# Altium PCB HV_Module_6W.PCBDOC (part 1 of 4) (continued)
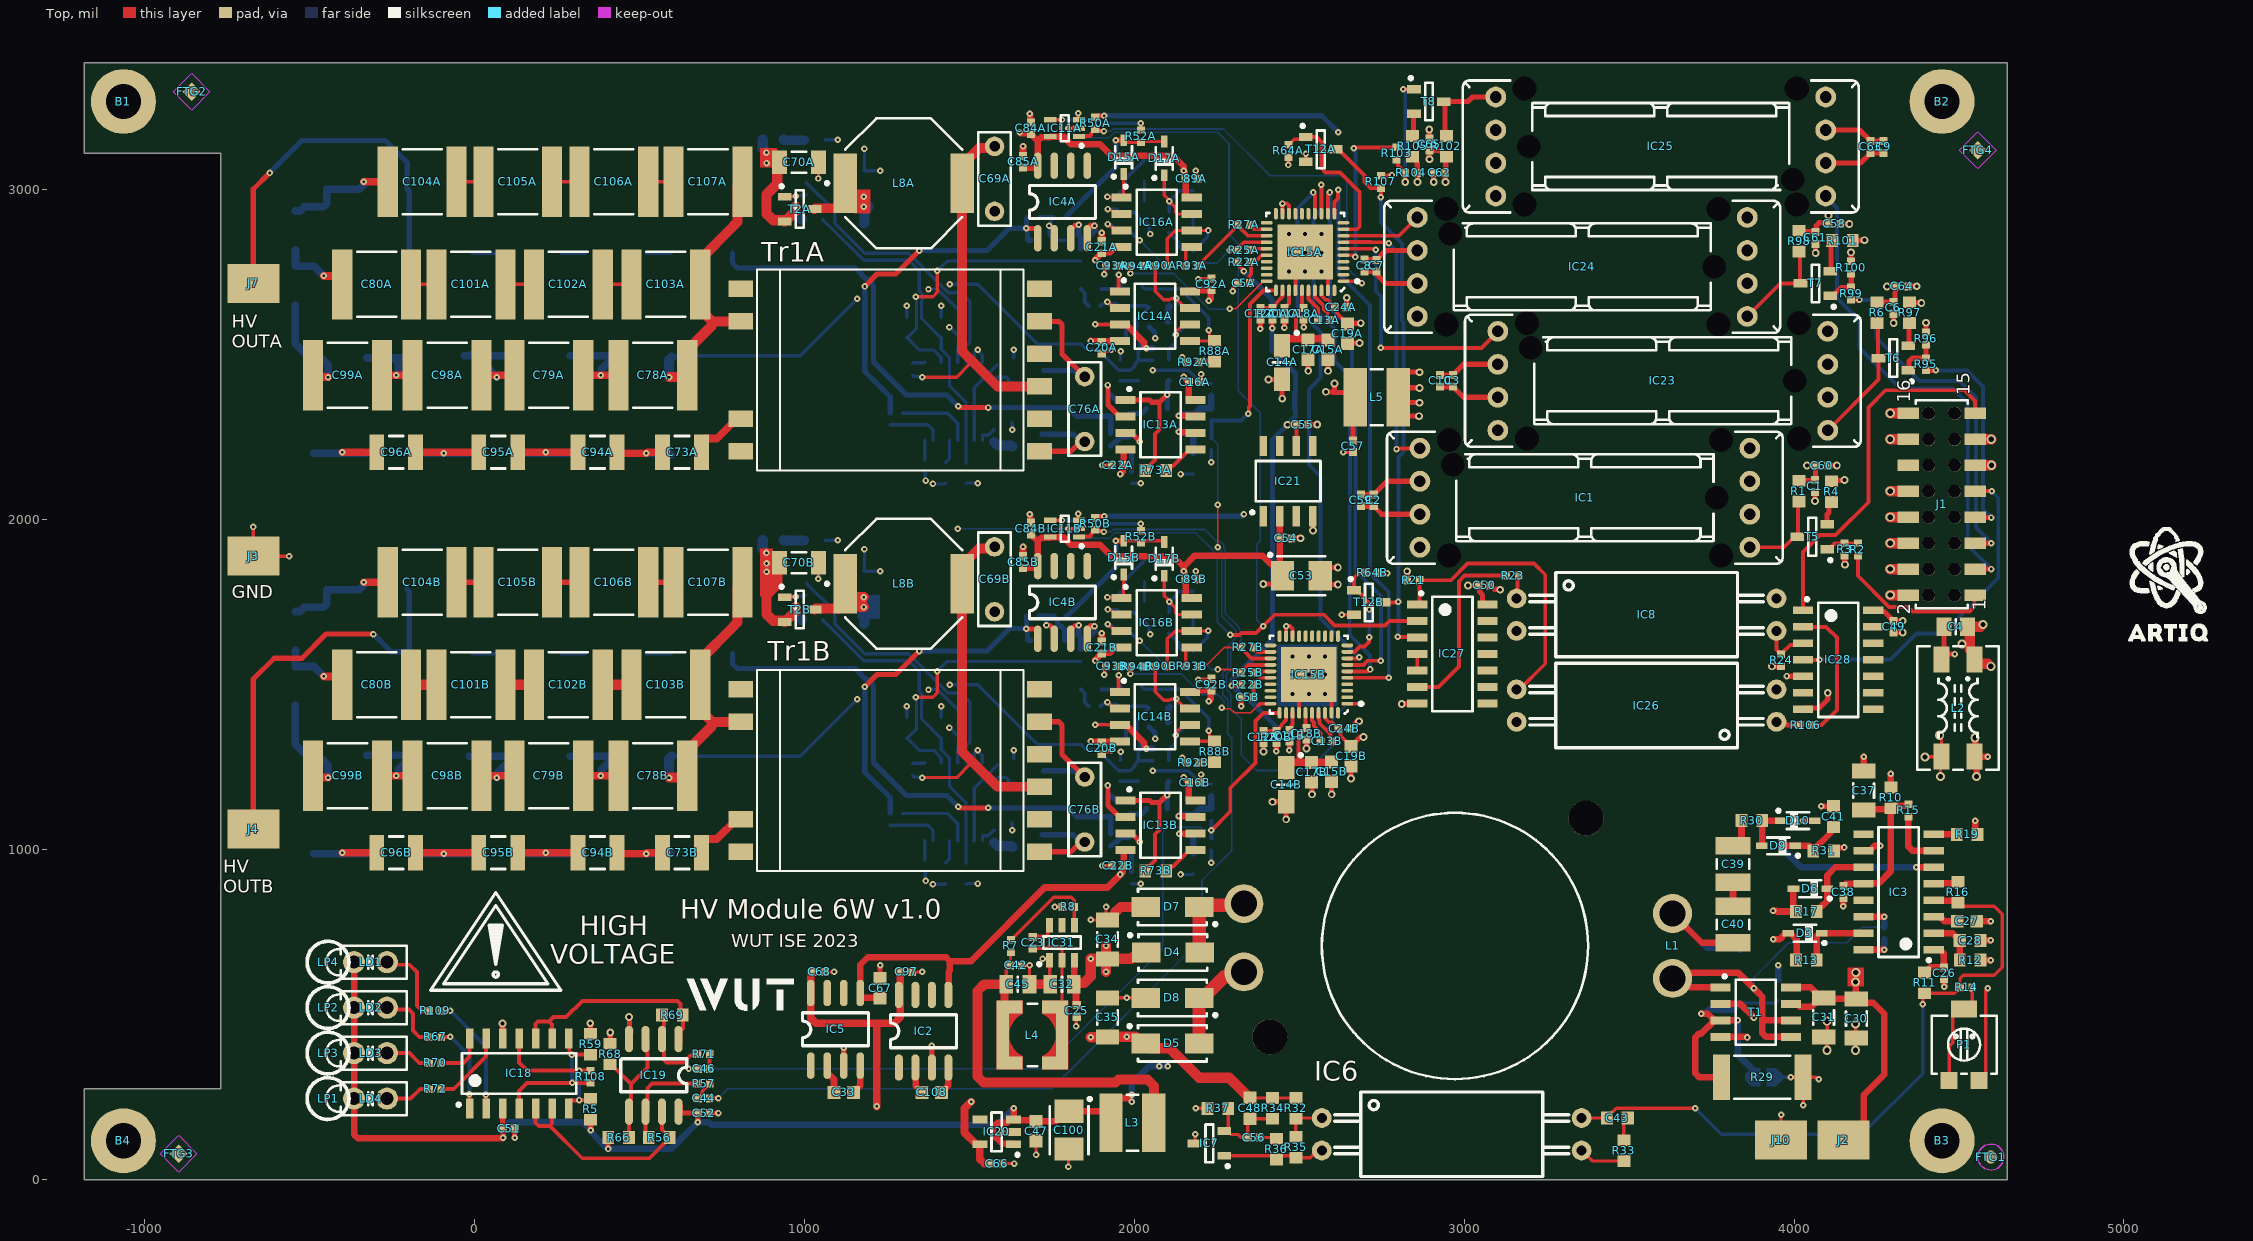
[diagram p0: Top view]
## Components (designator, comment, footprint, x,y, rotation, side; value= is the part's Value field where it differs from the comment)
B1 "Plated Hole" MTG270_500 -1062.99,3267.72 r0 top
B2 "Plated Hole" MTG270_500 4448.82,3267.72 r0 top
B3 "Plated Hole" MTG270_500 4448.82,118.11 r0 top
B4 "Plated Hole" MTG270_500 -1062.99,118.11 r0 top
C1 "1uF" CAPC1005X55N 4062.99,2102.36 r90 top
C2 "1uF" CAPC1005X55N 2726.38,2059.06 r90 top
C3 "1uF" CAPC1005X55N 2966.14,2421.26 r90 top
C4 "4.7uF" CAPC2012X145N 4490.16,1675.79 r0 top
C5A "1uF" CAPC1005X55N 2333.07,2717.63 r0 top (schematic designator C5)
C5B "1uF" CAPC1005X55N 2343.7,1462.2 r0 top (schematic designator C5)
C6 "1uF" CAPC1005X55N 4301.37,2642.29 r90 top
C7 "1uF" CAPC1005X55N 2735.24,2770.31 r90 top
C8 "100nF" CAPC1005X55N 2698.07,2770.67 r270 top
C9 "100nF" CAPC1005X55N 4271.65,3129.92 r90 top
C10 "100nF" CAPC1005X55N 2927.2,2421.26 r270 top
C11A "10nF" CAPC1005X55N 2455.51,2624.64 r90 top (schematic designator C11)
C11B "10nF" CAPC1005X55N 2470.47,1345.67 r90 top (schematic designator C11)
C12A "1uF" CAPC1005X55N 2382.68,2624.64 r90 top (schematic designator C12)
C12B "1uF" CAPC1005X55N 2391.73,1341.73 r90 top (schematic designator C12)
C13A "1uF" CAPC1005X55N 2575.59,2604.96 r0 top (schematic designator C13)
C13B "1uF" CAPC1005X55N 2583.32,1328.34 r0 top (schematic designator C13)
C14A "10uF" CAPMP3216X180N 2448.62,2476.93 r270 top (schematic designator C14)
C14B "10uF" CAPMP3216X180N 2460.84,1197.19 r270 top (schematic designator C14)
C15A "10uF" CAPC1608X80N 2587.4,2515.39 r90 top (schematic designator C15)
C15B "10uF" CAPC1608X80N 2598.43,1235.83 r90 top (schematic designator C15)
C16A "100nF" CAPC1005X55N 2183.66,2417.52 r180 top (schematic designator C16)
C16B "100nF" CAPC1005X55N 2183.66,1203.94 r180 top (schematic designator C16)
C17A "10uF" CAPC1608X80N 2527.36,2515.39 r90 top (schematic designator C17)
C17B "10uF" CAPC1608X80N 2538.08,1235.52 r90 top (schematic designator C17)
C18A "100nF" CAPC1005X55N 2513.58,2624.64 r90 top (schematic designator C18)
C18B "100nF" CAPC1005X55N 2522.39,1351.57 r90 top (schematic designator C18)
C19A "10uF" CAPC1608X80N 2646.46,2564.58 r90 top (schematic designator C19)
C19B "10uF" CAPC1608X80N 2657.48,1284.03 r90 top (schematic designator C19)
C20A "100nF" CAPC1005X55N 1902,2521.26 r90 top (schematic designator C20)
C20B "100nF" CAPC1005X55N 1902,1307.68 r90 top (schematic designator C20)
C21A "100nF" CAPC1005X55N 1902,2826.57 r270 top (schematic designator C21)
C21B "100nF" CAPC1005X55N 1902,1612.99 r270 top (schematic designator C21)
C22A "100nF" CAPC1005X55N 1950.39,2165.35 r0 top (schematic designator C22)
C22B "100nF" CAPC1005X55N 1950.39,951.77 r0 top (schematic designator C22)
C23 "100nF" CAPC1005X55N 1692.91,718.5 r270 top
C24A "100nF" CAPC1005X55N 2626.77,2644.33 r180 top (schematic designator C24)
C24B "100nF" CAPC1005X55N 2636.8,1367.42 r180 top (schematic designator C24)
C25 "100nF" CAPC1005X55N 1826.19,511.81 r90 top
C26 "100nF" CAPC1005X55N 4454.89,625.98 r90 top
C27 "1nF" CAPC1608X90N 4523.79,783.46 r0 top
C28 "1uF" CAPC1608X87N 4533.63,724.41 r0 top
C29 "100nF" CAPC1005X55N 4273.62,747.05 r90 bottom
C30 "10uF" CAPC3216X180N 4189.14,488.19 r270 top
C31 "47uF" CAPC3216X180N 4089.73,491.93 r270 top
C32 "22uF" CAPC2012X135N 1781.5,592.52 r0 top
C33 "10uF" CAPC1608X80N 1120.08,264.94 r180 top
C34 "47uF" CAPC3216X180N 1919.29,728.35 r90 top
C35 "47uF" CAPC3216X180N 1919.29,492.13 r90 top
C36 "100nF" CAPC4532X250N 3834.81,616.14 r90 bottom
C37 "10uF" CAPC3216X180N 4210.8,1179.13 r90 top
C38 "100nF" CAPC1005X55N 4149.77,872.05 r270 top
C39 "220pF" CAPC3225X200N 3815.13,956.69 r270 top
C40 "220pF" CAPC3225X200N 3815.13,773.62 r270 top
C41 "1uF" CAPC1608X87N 4119.26,1100.39 r270 top
C42 "100nF" CAPC1005X55N 1641.73,649.61 r180 top
C43 "270pF" CAPC1608X87N 3464.57,187.01 r180 top
C44 "1uF" CAPC1005X55N 695.4,246.75 r0 top
C45 "22uF" CAPC2012X135N 1647.64,592.52 r180 top
C46 "1uF" CAPC1005X55N 695.4,336.32 r180 top
C47 "10uF" CAPC1608X80N 1702.76,147.64 r90 top
C48 "270pF" CAPC1608X87N 2350.72,216.54 r90 top
C49 "1uF" CAPC1005X55N 4301.97,1675.79 r270 top
C50 "1uF" CAPC1005X55N 3061.02,1801.18 r0 top
C51 "1uF" CAPC1005X55N 104.85,154.72 r180 top
C52 "1uF" CAPC1005X55N 695.4,201.97 r180 top
C53 "22uF" CAPMP3528X210N 2506.69,1830.71 r0 top
C54 "100nF" CAPC1005X55N 2459.34,1943.96 r180 top
C55 "100nF" CAPC1005X55N 2509.92,2288.45 r180 top
C56 "100nF" CAPC1005X55N 2362.2,127.95 r0 top
C57 "1uF" CAPC1005X55N 2663.3,2222.64 r90 top
C58 "100nF" CAPC1005X55N 4122.59,2896.7 r180 top
C59 "100nF" CAPC1005X55N 2687.18,2059.06 r270 top
C60 "100nF" CAPC1005X55N 4084.65,2164.66 r180 top
C61 "1uF" CAPC1005X55N 4064.96,2854.33 r90 top
C62 "1uF" CAPC1005X55N 2925.2,3051.18 r0 top
C63 "1uF" CAPC1005X55N 4232.28,3129.92 r270 top
C64 "100nF" CAPC1005X55N 4327.02,2707.64 r180 top
C65 "100nF" CAPC1005X55N 2894.68,3137.8 r270 top
C66 "1uF" CAPC1005X55N 1583.66,49.21 r180 top
C67 "10uF" CAPC1608X80N 1230.31,580.71 r270 top
C68 "1uF" CAPC1005X55N 1045.28,629.92 r0 top
C69A "47nF" CAPR500-250X720X650 1577.2,3033.46 r90 top (schematic designator C69)
C69B "47nF" CAPR500-250X720X650 1577.2,1819.88 r90 top (schematic designator C69)
C70A "47uF" CAPC3216X180N 984.25,3083.66 r0 top (schematic designator C70)
C70B "47uF" CAPC3216X180N 984.25,1870.08 r0 top (schematic designator C70)
C71A "1uF" CAPC1608X87N 1031.92,3150.39 r180 bottom (schematic designator C71)
C71B "1uF" CAPC1608X87N 1031.92,1936.81 r180 bottom (schematic designator C71)
C72A "1uF" CAPC1608X87N 1490.55,2140.35 r90 bottom (schematic designator C72)
C72B "1uF" CAPC1608X87N 1490.55,926.77 r90 bottom (schematic designator C72)
C73A "6.8nF" CAPC3225X170N 629.92,2204.72 r180 top (schematic designator C73)
C73B "6.8nF" CAPC3225X170N 629.92,991.14 r180 top (schematic designator C73)
C74A "1nF" CAPC1005X55N 1365.55,2164.76 r270 bottom (schematic designator C74)
C74B "1nF" CAPC1005X55N 1365.55,951.18 r270 bottom (schematic designator C74)
C75A "1uF" CAPC1608X87N 1415.55,2582.87 r90 bottom (schematic designator C75)
C75B "1uF" CAPC1608X87N 1415.55,1369.29 r90 bottom (schematic designator C75)
C76A "100nF" CAPR500-250X720X650 1850.39,2335.63 r90 top (schematic designator C76)
C76B "100nF" CAPR500-250X720X650 1850.39,1122.05 r90 top (schematic designator C76)
C77A "10nF" CAPC1608X87N 1311.02,2582.87 r270 bottom (schematic designator C77)
C77B "10nF" CAPC1608X87N 1311.02,1369.29 r270 bottom (schematic designator C77)
C78A "22nF" CAPC5750X330N 541.34,2437.99 r180 top (schematic designator C78)
C78B "22nF" CAPC5750X330N 541.34,1224.41 r180 top (schematic designator C78)
C79A "22nF" CAPC5750X330N 226.38,2437.99 r180 top (schematic designator C79)
C79B "22nF" CAPC5750X330N 226.38,1224.41 r180 top (schematic designator C79)
C80A "22nF" CAPC5750X330N -295.28,2713.58 r180 top (schematic designator C80)
C80B "22nF" CAPC5750X330N -295.28,1500 r180 top (schematic designator C80)
C81A "1uF" CAPC1608X87N 1429.13,2142.91 r90 bottom (schematic designator C81)
C81B "1uF" CAPC1608X87N 1429.13,929.33 r90 bottom (schematic designator C81)
C82A "Undefined" CAPC1608X90N 2045.98,2614.37 r90 bottom (schematic designator C82)
C82B "Undefined" CAPC1608X90N 2045.98,1400.79 r90 bottom (schematic designator C82)
C84A "100nF" CAPC1005X55N 1687.2,3187.01 r270 top (schematic designator C84)
C84B "100nF" CAPC1005X55N 1687.2,1973.43 r270 top (schematic designator C84)
C85A "100nF" CAPC1005X55N 1663.39,3085.43 r270 top (schematic designator C85)
C85B "100nF" CAPC1005X55N 1663.39,1871.85 r270 top (schematic designator C85)
C86A "220nF" CAPC1608X87N 2031.3,3057.82 r270 bottom (schematic designator C86)
C86B "220nF" CAPC1608X87N 2031.3,1844.24 r270 bottom (schematic designator C86)
C87A "10nF" CAPC1608X87N 1958.27,2963.39 r270 bottom (schematic designator C87)
C87B "10nF" CAPC1608X87N 1958.27,1749.8 r270 bottom (schematic designator C87)
C88A "10nF" CAPC1005X55N 2234.25,2230.15 r90 bottom (schematic designator C88)
C88B "10nF" CAPC1005X55N 2234.25,1016.56 r90 bottom (schematic designator C88)
C89A "100nF" CAPC1005X55N 2173.82,3033.46 r180 top (schematic designator C89)
C89B "100nF" CAPC1005X55N 2173.82,1819.88 r180 top (schematic designator C89)
C90A "220nF" CAPC1608X87N 2178.74,2965.61 r270 bottom (schematic designator C90)
C90B "220nF" CAPC1608X87N 2178.74,1752.03 r270 bottom (schematic designator C90)
C91A "10nF" CAPC1608X87N 2105.12,2901.18 r270 bottom (schematic designator C91)
C91B "10nF" CAPC1608X87N 2105.12,1687.6 r270 bottom (schematic designator C91)
C92A "100nF" CAPC1005X55N 2234.25,2714.17 r270 top (schematic designator C92)
C92B "100nF" CAPC1005X55N 2234.25,1500.59 r270 top (schematic designator C92)
C93A "10nF" CAPC1005X55N 1932.68,2769.69 r0 top (schematic designator C93)
C93B "10nF" CAPC1005X55N 1932.68,1556.1 r0 top (schematic designator C93)
C94A "6.8nF" CAPC3225X170N 374.02,2204.72 r180 top (schematic designator C94)
C94B "6.8nF" CAPC3225X170N 374.02,991.14 r180 top (schematic designator C94)
C95A "6.8nF" CAPC3225X170N 73.01,2204.72 r180 top (schematic designator C95)
C95B "6.8nF" CAPC3225X170N 73.01,991.14 r180 top (schematic designator C95)
C96A "6.8nF" CAPC3225X170N -236.22,2204.72 r180 top (schematic designator C96)
C96B "6.8nF" CAPC3225X170N -236.22,991.14 r180 top (schematic designator C96)
C97 "1uF" CAPC1005X55N 1309.06,629.92 r0 top
C98A "22nF" CAPC5750X330N -82.14,2437.99 r180 top (schematic designator C98)
C98B "22nF" CAPC5750X330N -82.14,1224.41 r180 top (schematic designator C98)
C99A "22nF" CAPC5750X330N -383.86,2437.99 r180 top (schematic designator C99)
C99B "22nF" CAPC5750X330N -383.86,1224.41 r180 top (schematic designator C99)
C100 "22uF" CAPMP3528X210N 1802.88,150.25 r270 top
C101A "22nF" CAPC5750X330N -9.84,2713.58 r180 top (schematic designator C101)
C101B "22nF" CAPC5750X330N -9.84,1500 r180 top (schematic designator C101)
C102A "22nF" CAPC5750X330N 285.43,2713.58 r180 top (schematic designator C102)
C102B "22nF" CAPC5750X330N 285.43,1500 r180 top (schematic designator C102)
C103A "22nF" CAPC5750X330N 580.71,2713.58 r180 top (schematic designator C103)
C103B "22nF" CAPC5750X330N 580.71,1500 r180 top (schematic designator C103)
C104A "22nF" CAPC5750X330N -157.48,3024.61 r180 top (schematic designator C104)
C104B "22nF" CAPC5750X330N -157.48,1811.02 r180 top (schematic designator C104)
C105A "22nF" CAPC5750X330N 132.07,3024.61 r180 top (schematic designator C105)
C105B "22nF" CAPC5750X330N 132.07,1811.02 r180 top (schematic designator C105)
C106A "22nF" CAPC5750X330N 423.23,3024.61 r180 top (schematic designator C106)
C106B "22nF" CAPC5750X330N 423.23,1811.02 r180 top (schematic designator C106)
C107A "22nF" CAPC5750X330N 708.66,3024.61 r180 top (schematic designator C107)
C107B "22nF" CAPC5750X330N 708.66,1811.02 r180 top (schematic designator C107)
C108 "10uF" CAPC1608X80N 1387.01,264.94 r180 top
D1A "SP5LG" DO-214AC_GW 597.52,2344.16 r270 bottom (schematic designator D1)
D1B "SP5LG" DO-214AC_GW 597.52,1142.91 r270 bottom (schematic designator D1)
D2A "SP5LG" DO-214AC_GW 446.58,2352.36 r90 bottom (schematic designator D2)
D2B "SP5LG" DO-214AC_GW 446.58,1141.73 r90 bottom (schematic designator D2)
D3 "BAT165" SOD2512X110N 4033.24,747.05 r180 top
D4 "SS16" DIOM5127X229N 2117.82,688.98 r0 top
D5 "SS16" DIOM5127X229N 2116.14,413.39 r0 top
D6 "BAT165" SOD2512X110N 4049.38,881.89 r180 top
D7 "SS16" DIOM5127X229N 2116.14,826.77 r180 top
D8 "SS16" DIOM5127X229N 2116.14,551.18 r180 top
D9 "BAT165" SOD2512X110N 3952.92,1011.81 r180 top
D10 "BAT165" SOD2512X110N 4011.98,1088.58 r0 top
D11A "SS16" DIOM5127X229N 1181.1,2979.13 r90 bottom (schematic designator D11)
D11B "SS16" DIOM5127X229N 1181.1,1765.55 r90 bottom (schematic designator D11)
D12A "SP5LG" DO-214AC_GW 446.58,2349.41 r270 bottom (schematic designator D12)
D12B "SP5LG" DO-214AC_GW 446.58,1135.83 r270 bottom (schematic designator D12)
D13A "SP5LG" DO-214AC_GW 597.52,2344.16 r90 bottom (schematic designator D13)
D13B "SP5LG" DO-214AC_GW 597.52,1135.83 r90 bottom (schematic designator D13)
D14A "BAT165" SOD2512X110N 1738.39,2847.44 r0 bottom (schematic designator D14)
D14B "BAT165" SOD2512X110N 1738.39,1633.86 r0 bottom (schematic designator D14)
D15A "BAT165" SOD2512X110N 1968.11,3099.21 r90 top (schematic designator D15)
D15B "BAT165" SOD2512X110N 1968.11,1885.63 r90 top (schematic designator D15)
D16A "VESD01C1-02VHG3" SODFL1608X70N 2012.47,2452.95 r270 bottom (schematic designator D16)
D16B "VESD01C1-02VHG3" SODFL1608X70N 2012.47,1239.37 r270 bottom (schematic designator D16)
D17A "BAT165" SOD2512X110N 2091.14,3095.28 r90 top (schematic designator D17)
D17B "BAT165" SOD2512X110N 2091.14,1881.69 r90 top (schematic designator D17)
D18A "VESD01C1-02VHG3" SODFL1608X70N 1958.27,2452.95 r270 bottom (schematic designator D18)
D18B "VESD01C1-02VHG3" SODFL1608X70N 1958.27,1239.37 r270 bottom (schematic designator D18)
D19A "SP5LG" DO-214AC_GW 291.54,2349.41 r90 bottom (schematic designator D19)
D19B "SP5LG" DO-214AC_GW 291.54,1135.83 r90 bottom (schematic designator D19)
D20A "SP5LG" DO-214AC_GW 140.11,2349.41 r270 bottom (schematic designator D20)
D20B "SP5LG" DO-214AC_GW 140.11,1135.83 r270 bottom (schematic designator D20)
D21A "SP5LG" DO-214AC_GW -13.78,2349.41 r90 bottom (schematic designator D21)
D21B "SP5LG" DO-214AC_GW -13.78,1135.83 r90 bottom (schematic designator D21)
D22A "SP5LG" DO-214AC_GW -171.26,2349.41 r270 bottom (schematic designator D22)
D22B "SP5LG" DO-214AC_GW -171.26,1135.83 r270 bottom (schematic designator D22)
D23A "SP5LG" DO-214AC_GW -324.8,2352.36 r90 bottom (schematic designator D23)
D23B "SP5LG" DO-214AC_GW -324.8,1138.78 r90 bottom (schematic designator D23)
D24A "SP5LG" DO-214AC_GW -486.22,2349.41 r270 bottom (schematic designator D24)
D24B "SP5LG" DO-214AC_GW -486.22,1135.83 r270 bottom (schematic designator D24)
D25A "SP5LG" DO-214AC_GW 295.28,2352.36 r270 bottom (schematic designator D25)
D25B "SP5LG" DO-214AC_GW 291.54,1141.73 r270 bottom (schematic designator D25)
D26A "SP5LG" DO-214AC_GW 140.11,2352.36 r90 bottom (schematic designator D26)
D26B "SP5LG" DO-214AC_GW 140.11,1131.89 r90 bottom (schematic designator D26)
D27A "SP5LG" DO-214AC_GW -9.84,2352.36 r270 bottom (schematic designator D27)
D27B "SP5LG" DO-214AC_GW -14.23,1131.89 r270 bottom (schematic designator D27)
D28A "SP5LG" DO-214AC_GW -167.32,2352.36 r90 bottom (schematic designator D28)
D28B "SP5LG" DO-214AC_GW -167.32,1131.89 r90 bottom (schematic designator D28)
D29A "SP5LG" DO-214AC_GW -324.8,2342.52 r270 bottom (schematic designator D29)
D29B "SP5LG" DO-214AC_GW -324.8,1141.73 r270 bottom (schematic designator D29)
D30A "SP5LG" DO-214AC_GW -485.24,2352.36 r90 bottom (schematic designator D30)
D30B "SP5LG" DO-214AC_GW -486.22,1131.89 r90 bottom (schematic designator D30)
FTG1 "Use only in PCB" FIDUCIAL_TOP_C100-200 4596.46,68.9 r180 top
FTG2 "Use only in PCB" FIDUCIAL_TOP_S100-200 -856.3,3297.24 r180 top
FTG3 "Use only in PCB" FIDUCIAL_TOP_S100-200 -895.67,78.74 r180 top
FTG4 "Use only in PCB" FIDUCIAL_TOP_S100-200 4557.09,3120.08 r180 top
IC1 "AFBR-390525RZ" BROADCOM_AFBR-390525RZ 3366.14,2066.93 r180 top locked
IC2 "TC7660SEOA" SO-8 1287.01,340.13 r90 top
IC3 "L6599AD" SOIC127P600X175-16N 4317.09,872.05 r180 top
IC4A "LMV358IDT" SO-8 1708.07,2853.35 r90 top (schematic designator IC4)
IC4B "LMV358IDT" SO-8 1708.07,1639.76 r90 top (schematic designator IC4)
IC5 "TC7660SEOA" SO-8 1020.08,345.91 r90 top
IC6 "OPI1264C" OPI1264C 2962.6,137.8 r180 top
IC7 "TL431AIDBZ" SOT95P237X112-3N 2228.35,110.24 r180 top
IC8 "OPI1264C" OPI1264C 3553.15,1712.6 r180 top locked
IC10A "UC3872M" R-PDSO-G16 1540.55,2241.34 r90 bottom (schematic designator IC10)
IC10B "UC3872M" R-PDSO-G16 1540.55,1027.76 r90 bottom (schematic designator IC10)
IC11A "74HCT1G125GW" SOT65P210X110-5N 1789.57,3187.01 r180 top (schematic designator IC11)
IC11B "74HCT1G125GW" SOT65P210X110-5N 1789.57,1973.43 r180 top (schematic designator IC11)
IC13A "ADA4510-2ARZ" SOIC127P600X175-8N 2080.35,2288.03 r0 top (schematic designator IC13)
IC13B "ADA4510-2ARZ" SOIC127P600X175-8N 2080.35,1074.45 r0 top (schematic designator IC13)
IC14A "ADA4510-2ARZ" SOIC127P600X175-8N 2063.58,2617.13 r0 top (schematic designator IC14)
IC14B "ADA4510-2ARZ" SOIC127P600X175-8N 2063.58,1403.54 r0 top (schematic designator IC14)
IC15A "MAX1329BETL+" QFN50P600X600X80-41N-S425 2518.5,2811.65 r180 top (schematic designator IC15)
IC15B "MAX1329BETL+" QFN50P600X600X80-41N-S425 2529.53,1531.1 r180 top (schematic designator IC15)
IC16A "ADA4510-2ARZ" SOIC127P600X175-8N 2068.5,2901.57 r0 top (schematic designator IC16)
IC16B "ADA4510-2ARZ" SOIC127P600X175-8N 2068.5,1687.99 r0 top (schematic designator IC16)
IC18 "LP339M/NOPB" SOIC127P600X175-14N 136.34,322.05 r90 top
IC19 "LMV358IDT" SO-8 619.42,426.42 r270 top
IC20 "NCP703SN33T1G" SOT95P275X110-5N 1583.66,144.88 r180 top
IC21 "ADR431ARZ" SOIC127P600X175-8N 2466.63,2117.17 r90 top
IC23 "AFBR-390525RZ" BROADCOM_AFBR-390525RZ 3602.36,2421.26 r180 top locked
IC24 "AFBR-390525RZ" BROADCOM_AFBR-390525RZ 3358.27,2766.54 r180 top locked
IC25 "AFBR-390525RZ" BROADCOM_AFBR-390525RZ 3596.06,3131.5 r0 top locked
IC26 "OPI1264C" OPI1264C 3553.15,1437.01 r0 top locked
IC27 "SN74LVC14AD" SOIC127P600X175-14N 2964.57,1593.7 r0 top
IC28 "SN74LVC14AD" SOIC127P600X175-14N 4133.86,1575.79 r0 top
IC31 "AP62201WU-7" SOT95P280X100-6N 1781.5,718.5 r90 top
J1 "2.00 mm_SMT_Vertical_16 pin" 62131621821 4447.41,2047.41 r90 top locked
J2 "SMD Pad" R400X300 4149.77,120.08 r0 top
J3 "SMD Pad" R400X300 -669.29,1889.76 r180 top
J4 "SMD Pad" R400X300 -669.29,1062.99 r180 top
J7 "SMD Pad" R400X300 -669.29,2716.54 r180 top
J10 "SMD Pad" R400X300 3960.8,120.08 r0 top
L1 "6.8uH" 760308101104#1 2972.44,708.66 r270 top locked
L2 "2x250uH" IND_WURTH_WE-SL2 4497.05,1429.72 r270 top
L3 "10uH" IND_BOURNS_PM43 1994.87,173.15 r180 top
L4 "3.3uH" IND_WURTH_WE-TPC_4828 1691.93,438.7 r180 top
L5 "10uH" IND_BOURNS_PM43 2735.24,2371.26 r180 top
L8A "744066151" WE-TPC_1038 1301.61,3019.88 r90 top (schematic designator L8)
L8B "744066151" WE-TPC_1038 1301.61,1806.3 r90 top (schematic designator L8)
L9 "6.8uH" 760308101104#2 2972.44,718.5 r270 bottom locked
LD1 "Green" LED_DIALIGHT_555-230 -364.17,659.45 r0 top locked
LD2 "Red" LED_DIALIGHT_555-200 -364.17,521.65 r0 top locked
LD3 "Green" LED_DIALIGHT_555-230 -364.17,383.86 r0 top locked
LD4 "Red" LED_DIALIGHT_555-200 -364.17,246.06 r0 top locked
LP1 "" LEDLP_BIVAR_PLP2-1200 -442.91,246.06 r90 top locked
LP2 "" LEDLP_BIVAR_PLP2-1200 -442.91,521.65 r90 top locked
LP3 "" LEDLP_BIVAR_PLP2-1200 -442.91,383.86 r90 top locked
LP4 "" LEDLP_BIVAR_PLP2-1200 -442.91,659.45 r90 top locked
P1 "10k" TRIM_BOURNS_3314G-1 4515.52,409.45 r0 top
R1 "390" RESC1608X55N 4014.57,2086.78 r90 top
R2 "47" RESC1005X40N 4193.39,1909.9 r270 top
R3 "1k" RESC1005X40N 4153.54,1910.24 r90 top
R4 "150" RESC1608X55N 4114.17,2085.43 r270 top
R5 "100k" RESC1608X55N 352.88,213.78 r270 top
R6 "390" RESC1608X55N 4251.97,2627.95 r90 top
R7 "43k" RESC1005X40N 1626.43,708.66 r270 top
R8 "8k2" RESC1005X40N 1800.19,826.77 r0 top
R9A "3k32" RESC1608X55N 2068.11,2337.8 r180 bottom (schematic designator R9)
R9B "3k32" RESC1608X55N 2068.11,1124.21 r180 bottom (schematic designator R9)
R10 "47" RESC1608X55N 4293.64,1157.48 r90 top
R11 "2k7" RESC1608X55N 4395.83,596.46 r90 top
R12 "1M" RESC1608X55N 4533.63,665.35 r0 top
R13 "47" RESC1608X55N 4037.57,665.35 r180 top
R14 "1k" RESC1005X40N 4521.62,582.87 r180 top
R15 "100k" RESC1005X40N 4346.62,1119.29 r270 top
R16 "47" RESC1608X55N 4496.23,872.05 r270 top
R17 "47" RESC1608X55N 4037.57,812.99 r180 top
R18A "13" RESC1005X40N 1984.72,2340.41 r90 bottom (schematic designator R18)
R18B "13" RESC1005X40N 1984.72,1126.82 r90 bottom (schematic designator R18)
R19 "47" RESC1608X55N 4524.57,1047.05 r180 top
R20A "0" RESC1005X40N 2419.09,2624.64 r270 top (schematic designator R20)
R20B "0" RESC1005X40N 2431.1,1341.73 r270 top (schematic designator R20)
R21 "330" RESC1005X40N 2846.46,1816.93 r0 top
R22A "0" RESC1005X40N 2332.68,2781.14 r180 top (schematic designator R22)
R22B "0" RESC1005X40N 2343.7,1500.59 r180 top (schematic designator R22)
R23 "330" RESC1005X40N 3146.85,1830.71 r180 top
R24 "330" RESC1005X40N 3960.63,1574.8 r90 top
R25A "0" RESC1005X40N 2332.68,2817.56 r180 top (schematic designator R25)
R25B "0" RESC1005X40N 2343.7,1537.01 r180 top (schematic designator R25)
R26 "47" RESC1608X55N 3952.92,574.8 r90 bottom
R27A "0" RESC1005X40N 2332.68,2893.7 r180 top (schematic designator R27)
R27B "0" RESC1005X40N 2343.7,1613.15 r180 top (schematic designator R27)
R28A "3k32" RESC1608X55N 1992.32,2227.39 r90 bottom (schematic designator R28)
R28B "3k32" RESC1608X55N 1992.32,1013.81 r90 bottom (schematic designator R28)
R29 "0R5" RESC6532X80N 3903.71,311.02 r180 top
R30 "47" RESC1608X55N 3872.21,1088.58 r0 top
R31 "47" RESC1608X55N 4089.73,997.05 r180 top
R32 "2k7" RESC1608X55N 2490.16,216.54 r90 top
R33 "47" RESC1608X55N 3484.25,88.58 r90 top
R34 "9k1" RESC1608X55N 2419.62,216.54 r90 top
R35 "2k7" RESC1608X55N 2490.16,98.43 r90 top
R36 "47" RESC1608X55N 2431.1,93.16 r270 top
R37 "2k4" RESC1608X55N 2253.94,216.54 r0 top
R38A "47" RESC1608X55N 1024.61,2911.22 r0 bottom (schematic designator R38)
R38B "47" RESC1608X55N 1024.61,1697.64 r0 bottom (schematic designator R38)
R39A "33" RESC1005X40N 1005.91,3003.54 r270 bottom (schematic designator R39)
R39B "33" RESC1005X40N 1005.91,1789.96 r270 bottom (schematic designator R39)
R40A "10k" RESC1005X40N 1328.74,2456.17 r270 bottom (schematic designator R40)
R40B "10k" RESC1005X40N 1328.74,1242.59 r270 bottom (schematic designator R40)
R41A "100k" RESC3216X50N -542.41,2709.65 r90 bottom (schematic designator R41)
R41B "100k" RESC3216X50N -542.41,1496.06 r90 bottom (schematic designator R41)
R42A "100k" RESC3216X50N -541.34,2876.97 r90 bottom (schematic designator R42)
R42B "100k" RESC3216X50N -541.34,1663.39 r90 bottom (schematic designator R42)
R43A "100" RESC6331X70N -324.8,3001.97 r0 bottom (schematic designator R43)
R43B "100" RESC6331X70N -324.8,1788.39 r0 bottom (schematic designator R43)
R44A "100" RESC1005X40N 1585.63,2450.98 r270 bottom (schematic designator R44)
R44B "100" RESC1005X40N 1585.63,1237.4 r270 bottom (schematic designator R44)
R45A "330" RESC1005X40N 1466.54,2619.29 r90 bottom (schematic designator R45)
R45B "330" RESC1005X40N 1466.54,1405.71 r90 bottom (schematic designator R45)
R46A "10k" RESC1005X40N 1465.55,2542.26 r90 bottom (schematic designator R46)
R46B "10k" RESC1005X40N 1465.55,1328.68 r90 bottom (schematic designator R46)
R47A "100" RESC1005X40N 1575.79,2254.13 r270 bottom (schematic designator R47)
R47B "100" RESC1005X40N 1575.79,1040.55 r270 bottom (schematic designator R47)
R48A "10k" RESC1005X40N 1298.23,2304.95 r270 bottom (schematic designator R48)
R48B "10k" RESC1005X40N 1298.23,1091.37 r270 bottom (schematic designator R48)
R49A "10k" RESC1005X40N 1260.83,2306.3 r270 bottom (schematic designator R49)
R49B "10k" RESC1005X40N 1260.83,1092.72 r270 bottom (schematic designator R49)
R50A "10k" RESC1005X40N 1882.32,3201.77 r90 top (schematic designator R50)
R50B "10k" RESC1005X40N 1882.32,1988.19 r90 top (schematic designator R50)
R51A "10k" RESC1005X40N 1695.31,2916.34 r0 bottom (schematic designator R51)
R51B "10k" RESC1005X40N 1692.91,1708.32 r0 bottom (schematic designator R51)
R52A "1k" RESC1005X40N 2020.28,3162.4 r270 top (schematic designator R52)
R52B "1k" RESC1005X40N 2020.28,1948.82 r270 top (schematic designator R52)
R53A "10k" RESC1005X40N 1774.05,2916.34 r0 bottom (schematic designator R53)
R53B "10k" RESC1005X40N 1775.8,1707.53 r0 bottom (schematic designator R53)
R54A "10k" RESC1005X40N 1838.58,2802.92 r270 bottom (schematic designator R54)
R54B "10k" RESC1005X40N 1838.58,1589.34 r270 bottom (schematic designator R54)
R55A "10k" RESC1005X40N 1849.21,2864.85 r0 bottom (schematic designator R55)
R55B "10k" RESC1005X40N 1849.21,1651.27 r0 bottom (schematic designator R55)
R56 "100k" RESC1608X55N 561.02,127.95 r180 top
R57 "1k" RESC1005X40N 695.4,291.54 r0 top
R58A "13" RESC1005X40N 1992.32,2128.94 r90 bottom (schematic designator R58)
R58B "13" RESC1005X40N 1992.32,915.35 r90 bottom (schematic designator R58)
R59 "100k" RESC1608X55N 352.88,410.63 r270 top
R60A "10k" RESC1608X55N 2178.74,2171.85 r270 bottom (schematic designator R60)
R60B "10k" RESC1608X55N 2178.74,958.27 r270 bottom (schematic designator R60)
R61A "30k" RESC1608X55N 2178.74,2287.8 r270 bottom (schematic designator R61)
R61B "30k" RESC1608X55N 2178.74,1074.21 r270 bottom (schematic designator R61)
R62A "100k" RESC1608X55N 2031.3,2935.04 r270 bottom (schematic designator R62)
R62B "100k" RESC1608X55N 2031.3,1721.46 r270 bottom (schematic designator R62)
R63A "10k" RESC1608X55N 1929.13,2345.47 r270 bottom (schematic designator R63)
R63B "10k" RESC1608X55N 1929.13,1131.89 r270 bottom (schematic designator R63)
R64A "10k" RESC1005X40N 2467.72,3118.05 r90 top (schematic designator R64)
R64B "10k" RESC1005X40N 2721.16,1839.57 r180 top (schematic designator R64)
R65A "1k" RESC1005X40N 2234.25,2394.69 r270 bottom (schematic designator R65)
R65B "1k" RESC1005X40N 2234.25,1181.1 r270 bottom (schematic designator R65)
R66 "100k" RESC1608X55N 437.92,127.71 r180 top
R67 "1k" RESC1005X40N -118.11,433.07 r0 top
R68 "100k" RESC1608X55N 411.94,381.1 r270 top
R69 "100k" RESC1608X55N 600.91,499.21 r180 top
R70 "1k" RESC1005X40N -118.11,354.33 r0 top
R71 "1k" RESC1005X40N 695.4,381.1 r0 top
R72 "1k" RESC1005X40N -118.11,275.59 r0 top
R73A "7k5" RESC1608X55N 2065.55,2149.61 r180 top (schematic designator R73)
R73B "7k5" RESC1608X55N 2065.55,936.02 r180 top (schematic designator R73)
R74A "0" RESC1005X40N 1929.13,2243.14 r90 bottom (schematic designator R74)
R74B "0" RESC1005X40N 1929.13,1029.56 r90 bottom (schematic designator R74)
R75A "10M" RESC5025X65N 171.26,2808.07 r180 bottom (schematic designator R75)
R75B "10M" RESC5025X65N 171.26,1594.49 r180 bottom (schematic designator R75)
R76A "10M" RESC5025X65N -98.43,2808.07 r180 bottom (schematic designator R76)
R76B "10M" RESC5025X65N -98.43,1594.49 r180 bottom (schematic designator R76)
R77A "10M" RESC5025X65N 429.13,2808.07 r180 bottom (schematic designator R77)
R77B "10M" RESC5025X65N 429.13,1594.49 r180 bottom (schematic designator R77)
R78A "1k" RESC1005X40N 1973.82,2869.88 r0 bottom (schematic designator R78)
R78B "1k" RESC1005X40N 1973.82,1656.3 r0 bottom (schematic designator R78)
R79A "3k32" RESC1608X55N 1870.08,2699.8 r180 bottom (schematic designator R79)
R79B "3k32" RESC1608X55N 1870.08,1486.22 r180 bottom (schematic designator R79)
R80A "1k" RESC1005X40N 2234.25,2319.29 r90 bottom (schematic designator R80)
R80B "1k" RESC1005X40N 2234.25,1105.71 r90 bottom (schematic designator R80)
R81A "10M" RESC5025X65N 690.04,2808.07 r180 bottom (schematic designator R81)
R81B "10M" RESC5025X65N 690.04,1594.49 r180 bottom (schematic designator R81)
R82A "13" RESC1005X40N 1879.92,2648.48 r0 bottom (schematic designator R82)
R82B "13" RESC1005X40N 1879.92,1434.9 r0 bottom (schematic designator R82)
R83A "33" RESC1005X40N 2126.09,2647.06 r180 bottom (schematic designator R83)
R83B "33" RESC1005X40N 2126.09,1433.48 r180 bottom (schematic designator R83)
R84A "100k" RESC1608X55N 2178.74,2847.44 r270 bottom (schematic designator R84)
R84B "100k" RESC1608X55N 2178.74,1633.86 r270 bottom (schematic designator R84)
R85A "10k" RESC1608X55N 2105.12,2452.95 r270 bottom (schematic designator R85)
R85B "10k" RESC1608X55N 2105.12,1239.37 r270 bottom (schematic designator R85)
R86A "13k3" RESC1608X55N 2134.11,2600.98 r0 bottom (schematic designator R86)
R86B "13k3" RESC1608X55N 2134.11,1387.4 r0 bottom (schematic designator R86)
R87A "10k" RESC1608X55N 1992.32,2707.28 r180 bottom (schematic designator R87)
R87B "10k" RESC1608X55N 1992.32,1493.7 r180 bottom (schematic designator R87)
R88A "13k3" RESC1608X55N 2244.09,2511.09 r90 top (schematic designator R88)
R88B "13k3" RESC1608X55N 2244.09,1297.5 r90 top (schematic designator R88)
R89A "100" RESC1005X40N 2057.09,2501.68 r270 bottom (schematic designator R89)
R89B "100" RESC1005X40N 2057.09,1288.1 r270 bottom (schematic designator R89)
R90A "1k" RESC1005X40N 2082.28,2769.69 r180 top (schematic designator R90)
R90B "1k" RESC1005X40N 2082.28,1556.1 r180 top (schematic designator R90)
R91A "3k32" RESC1608X55N 1944.49,2593.68 r180 bottom (schematic designator R91)
R91B "3k32" RESC1608X55N 1944.49,1380.09 r180 bottom (schematic designator R91)
R92A "33" RESC1005X40N 2178.74,2477.56 r0 top (schematic designator R92)
R92B "33" RESC1005X40N 2178.74,1263.98 r0 top (schematic designator R92)
R93A "1k" RESC1005X40N 2175,2769.69 r0 top (schematic designator R93)
R93B "1k" RESC1005X40N 2175,1556.1 r0 top (schematic designator R93)
R94A "1k" RESC1005X40N 2007.48,2768.7 r0 top (schematic designator R94)
R94B "1k" RESC1005X40N 2007.48,1555.12 r0 top (schematic designator R94)
R95 "47" RESC1005X40N 4399.61,2471.26 r270 top
R96 "1k" RESC1005X40N 4399.61,2549.21 r270 top
R97 "150" RESC1608X55N 4350.39,2627.95 r270 top
R98 "390" RESC1608X55N 4015.75,2844.49 r90 top
R99 "47" RESC1005X40N 4173.23,2685.83 r270 top
R100 "1k" RESC1005X40N 4173.23,2764.57 r270 top
R101 "150" RESC1608X55N 4146.83,2846.36 r180 top
R102 "390" RESC1608X55N 2946.06,3131.5 r270 top
R103 "47" RESC1005X40N 2795.28,3110.24 r90 top
R104 "1k" RESC1005X40N 2839.76,3051.18 r180 top
R105 "150" RESC1608X55N 2844.49,3131.5 r90 top
R106 "330" RESC1005X40N 4035.43,1377.95 r0 top
R107 "10k" RESC1005X40N 2748.03,3023.87 r90 top
R108 "10k" RESC1005X40N 352.88,312.2 r90 top
R109 "1k" RESC1005X40N -118.11,511.81 r0 top
R110A "0R33" RESC1608X60N 905.51,3152.56 r180 bottom (schematic designator R110)
R110B "0R33" RESC1608X60N 905.51,1938.98 r180 bottom (schematic designator R110)
R111A "13" RESC1005X40N 1956.42,2542.26 r0 bottom (schematic designator R111)
R111B "13" RESC1005X40N 1956.42,1328.68 r0 bottom (schematic designator R111)
R119A "100" RESC1005X40N 1967.66,2648.48 r0 bottom (schematic designator R119)
R119B "100" RESC1005X40N 1967.66,1434.9 r0 bottom (schematic designator R119)
SW1 "Switch" JUMPSMD0805_G50 3907.65,311.02 r180 bottom
T1 "FDS9926A" SOIC127P600X175-8N 3884.02,507.87 r0 top
T2A "IRLML6402PBF" SOT95P237X112-3N 986.65,2941.73 r0 top (schematic designator T2)
T2B "IRLML6402PBF" SOT95P237X112-3N 986.65,1728.15 r0 top (schematic designator T2)
T3A "IRLML0060TRPBF" SOT95P237X112-3N 1680.12,2452.95 r0 bottom (schematic designator T3)
T3B "IRLML0060TRPBF" SOT95P237X112-3N 1680.12,1239.37 r0 bottom (schematic designator T3)
T4A "IRLML0060TRPBF" SOT95P237X112-3N 1676.26,2259.18 r0 bottom (schematic designator T4)
T4B "IRLML0060TRPBF" SOT95P237X112-3N 1676.26,1045.6 r0 bottom (schematic designator T4)
T5 "2N7002" SOT95P240X130-3N 4055.12,1948.82 r180 top
T6 "2N7002" SOT95P240X130-3N 4301.18,2490.16 r180 top
T7 "2N7002" SOT95P240X130-3N 4064.96,2716.54 r180 top
T8 "2N7002" SOT95P240X130-3N 2893.7,3267.72 r0 top
T12A "BSS138LT1G" SOT95P240X110-3N 2565.75,3122.83 r0 top (schematic designator T12)
T12B "BSS138LT1G" SOT95P240X110-3N 2711.54,1749.61 r0 top (schematic designator T12)
Tr1A "FL2015-5L" TR_FL2015-5L 1260.83,2453.74 r0 top (schematic designator Tr1)
Tr1B "FL2015-5L" TR_FL2015-5L 1260.83,1240.16 r0 top (schematic designator Tr1)

## Footprints (in the part's own frame and the unit in brackets; to place one, negate y for a bottom-side part, rotate by r counter-clockwise, add the part's x,y. Pads: shape width x height; smd on the part's side, far side on the other; paste and mask are expansions set on the pad)
62131621821 [mm] "Socket Header, Pitch 2.00 mm, SMT, Vertical, dual row, 16p"
  rect 0.89x1.65 smd: 1(-7,-2.575) 2(-7,2.575) 3(-5,-2.575) 4(-5,2.575) 5(-3,-2.575) 6(-3,2.575) 7(-1,-2.575) 8(-1,2.575) 9(1,-2.575) 10(1,2.575) 11(3,-2.575) 12(3,2.575) 13(5,-2.575) 14(5,2.575) 15(7,-2.575) 16(7,2.575)
  round 1 hole 1 unplated: M1(-7,-1) M2(-7,1) M3(-5,-1) M4(-5,1) M5(-3,-1) M6(-3,1) M7(-1,-1) M8(-1,1) M9(1,-1) M10(1,1) M11(3,-1) M12(3,1) M13(5,-1) M14(5,1) M15(7,-1) M16(7,1)
  silkscreen extent -8,-2 8,2, body extent -8,-3 8,3, height 2.95
760308101104#1 [mm] "Wireless Power Transfer Transmitter Coil, Dia 20mm"
  round 3 hole 2: 1(2.5,16.75) 2(-2.5,16.75)
  silkscreen extent -10.25,-10.25 10.25,10.25, body extent -10.25,-10.25 10.25,59.25, height 2.16
760308101104#2 [mm] "Wireless Power Transfer Transmitter Coil, Dia 20mm"
  round 3 hole 2: 1(2.25,16.25) 2(-3,16.25)
  silkscreen extent -10.25,-10.25 10.25,10.25, body extent -10.25,-10.25 10.25,59.25, height 2.16
BROADCOM_AFBR-390525RZ [mm] "BROADCOM AFBR-390525RZ Case, Body 30.46mm L X 10.16mm W X 6.7mm H"
  round 1.6 hole 0.9: 1(-12.7,3.81) 2(-12.7,1.27) 3(-12.7,-1.27) 4(-12.7,-3.81) 5(12.7,3.81) 6(12.7,1.27) 7(12.7,-1.27) 8(12.7,-3.81)
  round 1 hole 1.85 unplated mask+0.425: 9(-10.47,4.45) 11(-10.47,-4.45) 12(10.47,4.45) 14(10.47,-4.45)
  round 1 hole 1.8 unplated mask+0.4: 10(-10.16,0) 13(10.16,-2.54)
  silkscreen extent -15.23,-5.08 15.23,5.08, body extent -15.23,-5.08 15.23,5.08, height 6.7
CAPC1005X55N [mm] "Capacitor, Non-Polarized, Chip; 1.00mm L X 0.50mm W X 0.70mm H, IPC Medium Density"
  rect 0.62x0.62 smd: 1(-0.45,0) 2(0.45,0)
  body extent -0.52,-0.27 0.53,0.28, height 0.55
CAPC1608X80N [mm] "Chip Capacitor, Body 1.6x0.8mm IPC Medium Density"
  rect 1x1 smd: 1(-0.75,0) 2(0.75,0)
  body extent -0.87,-0.47 0.88,0.48, height 0.8
CAPC1608X87N [mm] "Chip Capacitor, Body 1.6x0.8mm IPC Medium Density"
  rect 0.95x1 smd: 1(-0.8,0) 2(0.8,0)
  body extent -0.87,-0.47 0.88,0.48, height 0.87
CAPC1608X90N [mm] "Chip Capacitor, Body 1.6x0.8mm IPC Medium Density"
  rect 0.95x0.95 smd: 1(-0.75,0) 2(0.75,0)
  body extent -0.85,-0.45 0.85,0.45, height 0.9
CAPC2012X135N [mm] "Chip Capacitor, Body 2.0x1.25mm, IPC Medium Density"
  rect 1.05x1.4 smd: 1(-0.9,0) 2(0.9,0)
  silkscreen extent 0,-0.58 0,0.58, body extent -1.05,-0.67 1.05,0.68, height 1.25
CAPC2012X145N [mm] "Chip Capacitor, Body 2.0x1.45mm, IPC Medium Density"
  rect 1.15x1.45 smd: 1(-0.9,0) 2(0.9,0)
  silkscreen extent 0,-0.58 0,0.58, body extent -1.05,-0.67 1.05,0.68, height 1.45
CAPC3216X180N [mm] "Chip Capacitor, Body 3.2x1.6mm, IPC Medium Density"
  rect 1.15x1.8 smd: 1(-1.5,0) 2(1.5,0)
  silkscreen extent -0.55,-0.8 0.55,0.8, body extent -1.7,-0.9 1.7,0.9, height 1.8
CAPC3225X170N [mm] "Chip Capacitor, Body 3.2x2.5mm, IPC Medium Density"
  rect 1.15x2.7 smd: 1(-1.5,0) 2(1.5,0)
  silkscreen extent -0.55,-1.25 0.55,1.25, body extent -1.7,-1.35 1.7,1.35, height 1.7
CAPC3225X200N [mm] "Chip Capacitor, Body 3.2x2.5mm, IPC Medium Density"
  rect 1.35x2.7 smd: 1(-1.4,0) 2(1.4,0)
  silkscreen extent -0.35,-1.25 0.35,1.25, body extent -1.7,-1.35 1.5,1.35, height 2
CAPC4532X250N [mm] "Chip Capacitor, 2-Leads, Body 4.5x3.2mm, IPC Medium Density"
  rect 1.5x3.5 smd: 1(-2.05,0) 2(2.05,0)
  silkscreen extent -0.95,-1.6 0.95,1.6, body extent -2.37,-1.7 2.38,1.7, height 2.5
CAPC5750X330N [mm] "Chip Capacitor, 2-Leads, Body 5.7x5.0mm, IPC Medium Density"
  rect 1.55x5.4 smd: 1(-2.65,0) 2(2.65,0)
  silkscreen extent -1.5,-2.5 1.5,2.5, body extent -3.05,-2.7 3.05,2.7, height 3.3
CAPMP3216X180N [mm] "Capacitor, Polarized, Molded  Body 3.2x1.6mm, IPC Medium Density"
  rect 1.8x1.25 smd: 1(-1.3,0) 2(1.3,0)
  silkscreen extent -2.4,-0.7 0,1.25, body extent -1.7,-0.9 1.7,0.9, height 1.6
CAPMP3528X210N [mm] "Capacitor, Polarized, Molded  Body 3.5x2.8mm, IPC Medium Density"
  rect 1.8x2.25 smd: 1(-1.45,0) 2(1.45,0)
  silkscreen extent -2.52,-1.5 1.85,1.72, body extent -1.85,-1.5 1.85,1.5, height 2.1
CAPR500-250X720X650 [mm] "Capacitor Radial, Pin spacing 5.0mm - Body With 2.5mm X Body Length 7.2mm X Body Height 6.5mm"
  round 1.5 hole 0.8: 1(-2.5,0) 2(2.5,0)
  silkscreen extent -3.6,-1.25 3.6,1.25, body extent -3.6,-1.25 3.6,1.25, height 6.5
DIOM5127X229N [mm] "DO-214-AC/SMA Diode, Molded Body; 5.10mm L X 2.67mm W X 2.29mm H, IPC Medium Density"
  rect 2.2x1.55 smd: 1(-2.05,0) 2(2.05,0)
  silkscreen extent -3.42,-1.4 2.65,1.45, body extent -2.67,-1.45 2.68,1.45, height 2.29
DO-214AC_GW [mm]
  rect 2x3 smd: 1(-3.75,0) 2(3.75,0)
  silkscreen extent -5.37,-1.4 1.92,1.4, body extent -4.23,-1.4 4.23,1.4, height 3.12
FIDUCIAL_TOP_C100-200 [mm] "Round Fiducial Target, Top Layer, 1.0mm, Top Solder 2.0mm, Keepout =2.0mm"
  round 1 smd paste-0.51 mask+0.5: FTG2(0,0)
  Top keep-out circle w0.1: c0,0 r1
FIDUCIAL_TOP_S100-200 [mm] "Square Fiducial Target, Top Layer, 1.0mm, Top Solder 2.0mm, Keepout =2.0mm"
  rect 1x1 smd rot 45 paste-0.51 mask+0.5: 1(0,0)
  Top keep-out region: 1.414,0 0,-1.414 -1.414,0 0,1.414
IND_BOURNS_PM43 [mm] "SMD Inductor  Body Width 4.5mm Body Lenght 4mm Height 3.5mm"
  rect 1.8x4.5 smd: 1(-1.65,0) 2(1.65,0)
  silkscreen extent -0.45,-2.15 0.45,2.15, body extent -2.38,-2.15 2.38,2.15, height 3.5
IND_WURTH_WE-SL2 [mm] "Common Mode SMD Line Filter WE-SL2"
  rect 2x1.2 smd: 1(-3.75,1.27) 2(-3.75,-1.27) 3(3.75,-1.27) 4(3.75,1.27)
  silkscreen extent -4.75,-3.15 4.75,3.15, body extent -4.75,-3.15 4.75,3.15, height 5.3
IND_WURTH_WE-TPC_4828 [mm] "Shielded Tiny Power Inductor, Body 4.8x4.8mm"
  rect 0.95x5.3 smd: 1(-2.275,0) 2(2.275,0)
  rect 1.05x1.014 smd: 1(-1.275,2.143) 1(-1.275,-2.143) 2(1.275,2.143) 2(1.275,-2.143)
  Top region: 2.75,-2.65 0.75,-2.65 0.75,-1.636 1.394,-1.138 1.753,-0.407 1.753,0.407 1.394,1.138 0.75,1.636 0.75,1.636 0.75,2.65 2.75,2.65
  Top region: -2.75,-2.65 -0.75,-2.65 -0.75,-1.636 -1.394,-1.138 -1.753,-0.407 -1.753,0.407 -1.394,1.138 -0.75,1.636 -0.75,1.636 -0.75,2.65 -2.75,2.65
  Top region: 0.75,-2.65 2.75,-2.65 2.75,2.65 0.75,2.65 0.75,1.636 1.394,1.138 1.753,0.407 1.753,-0.407 1.394,-1.138 0.75,-1.636 0.75,-1.636
  silkscreen extent -0.35,-2.4 0.35,2.4, body extent -2.4,-2.4 2.4,2.4, height 2.8
JUMPSMD0805_G50 [mm] "2 SMD Pads for Bound by Solder Drop - Equivalent Size 0805 - Gap 0.5mm"
  rect 0.475x0.45 smd paste-0.225: 1(-1.188,0) 2(1.188,0)
  rect 0.7x1.4 smd paste-0.35: 1(-0.6,0) 2(0.6,0)
  Top region: 0.25,-0.7 0.95,-0.7 1.425,-0.225 1.425,0.225 0.95,0.7 0.25,0.7
  Top region: -0.25,0.7 -0.95,0.7 -1.425,0.225 -1.425,-0.225 -0.95,-0.7 -0.25,-0.7
  Top keep-out region: -0.05,0.7 0.05,0.7 0.05,-0.7 -0.05,-0.7
LED_DIALIGHT_555-200 [mm] "Single 2mm Red LED, Body 5.08x2.54mm, Pin spacing 2.54mm"
  round 1.7 hole 1: 1(2.54,0) 2(0,0)
  silkscreen extent -2.16,-1.27 4.06,1.27, body extent -2.16,-1.27 4.06,1.27, height 6.35
LED_DIALIGHT_555-230 [mm] "Single 2mm Green LED, Body 5.08x2.54mm, Pin spacing 2.54mm"
  round 1.7 hole 1: 1(2.54,0) 2(0,0)
  silkscreen extent -2.16,-1.27 4.06,1.27, body extent -2.16,-1.27 4.06,1.27, height 6.35
LEDLP_BIVAR_PLP2-1200 [mil] "3mm Dome Leens, Single Station Vertivcal Round Lightpipe Height 1.2 in. (30.5mm)"
  silkscreen extent -65,-65 65,65, body extent -65,0 65,1230, height 193
MTG270_500 [mm] "Plated Through Hole: Hole Dia.=2.7mm Pad Dia.=5.0mm"
  round 5 hole 2.7: 1(0,0)
OPI1264C [mil]
  round 60 hole 30: 1(393.7,-49.21) 2(393.7,49.21) 3(-393.7,49.21) 4(-393.7,-49.21)
  silkscreen extent -354,-128 354,128, body extent -403,-129 404,130, height 230
QFN50P600X600X80-41N-S425 [mm] "QFN, 0.50mm Pitch, Square; 40 Pin, 6.00mm L X 6.00mm W X 0.80mm H body (w/Thermal Tab 4.25 x 4.25mm), IPC Medium Density"
  oval 0.9x0.3 smd: 1(-2.95,2.25) 2(-2.95,1.75) 3(-2.95,1.25) 4(-2.95,0.75) 5(-2.95,0.25) 6(-2.95,-0.25) 7(-2.95,-0.75) 8(-2.95,-1.25) 9(-2.95,-1.75) 10(-2.95,-2.25) 21(2.95,-2.25) 22(2.95,-1.75) 23(2.95,-1.25) 24(2.95,-0.75) 25(2.95,-0.25) 26(2.95,0.25) 27(2.95,0.75) 28(2.95,1.25) 29(2.95,1.75) 30(2.95,2.25)
  oval 0.3x0.9 smd: 11(-2.25,-2.95) 12(-1.75,-2.95) 13(-1.25,-2.95) 14(-0.75,-2.95) 15(-0.25,-2.95) 16(0.25,-2.95) 17(0.75,-2.95) 18(1.25,-2.95) 19(1.75,-2.95) 20(2.25,-2.95) 31(2.25,2.95) 32(1.75,2.95) 33(1.25,2.95) 34(0.75,2.95) 35(0.25,2.95) 36(-0.25,2.95) 37(-0.75,2.95) 38(-1.25,2.95) 39(-1.75,2.95) 40(-2.25,2.95)
  rect 4.25x4.25 smd: 41(0,0)
  silkscreen extent -4.13,-3 3,3, body extent -3,-3 3,3, height 0.8
R400X300 [mm] "4mm x  3mm SMD Pad"
  rect 4x3 smd paste-1.5: 1(0,0)
R-PDSO-G16 [mm]
  rect 1x0.3 smd: 1(0,0)
  oval 1x0.3 smd: 2(0,-0.635) 3(0,-1.27) 4(0,-1.905) 5(0,-2.54) 6(0,-3.175) 7(0,-3.81) 8(0,-4.445) 9(6,-4.445) 10(6,-3.81) 11(6,-3.175) 12(6,-2.54) 13(6,-1.905) 14(6,-1.27) 15(6,-0.635) 16(6,0)
  silkscreen extent 1.33,-4.76 4.67,0.32, body extent -0.16,-4.73 6.1,0.25, height 1.75
RESC1005X40N [mm] "Chip Resistor, EIA 0402, Metric 1005, Body 1.0x0.5mm, IPC Medium Density"
  rect 0.58x0.62 smd: 1(-0.47,0) 2(0.47,0)
  body extent -0.52,-0.27 0.53,0.28, height 0.4
RESC1608X55N [mm] "Chip Resistor, EIA 0603, Metric 1608, Body 1.6x0.8mm, IPC Medium Density"
  rect 0.9x1 smd: 1(-0.8,0) 2(0.8,0)
  body extent -0.87,-0.47 0.88,0.48, height 0.55
RESC1608X60N [mm] "Chip Resistor, EIA 0603, Metric 1608, Body 1.6x0.8mm, IPC Medium Density"
  rect 0.85x1 smd: 1(-0.8,0) 2(0.8,0)
  body extent -0.87,-0.47 0.88,0.48, height 0.6